# Altium PCB VHDCI_Carrier.PCBDOC (part 5 of 7)
Units mm, origin at the board's own origin, x right, y up, seen from the top; angles counter-clockwise.
Board outline 159.99 x 100 mm, 4 copper layers (TopLayer, Internal Plane 1, Internal Plane 2, BottomLayer), stack 1.622 mm thick; 102 components, 174 nets, 718 pads, 375 vias.
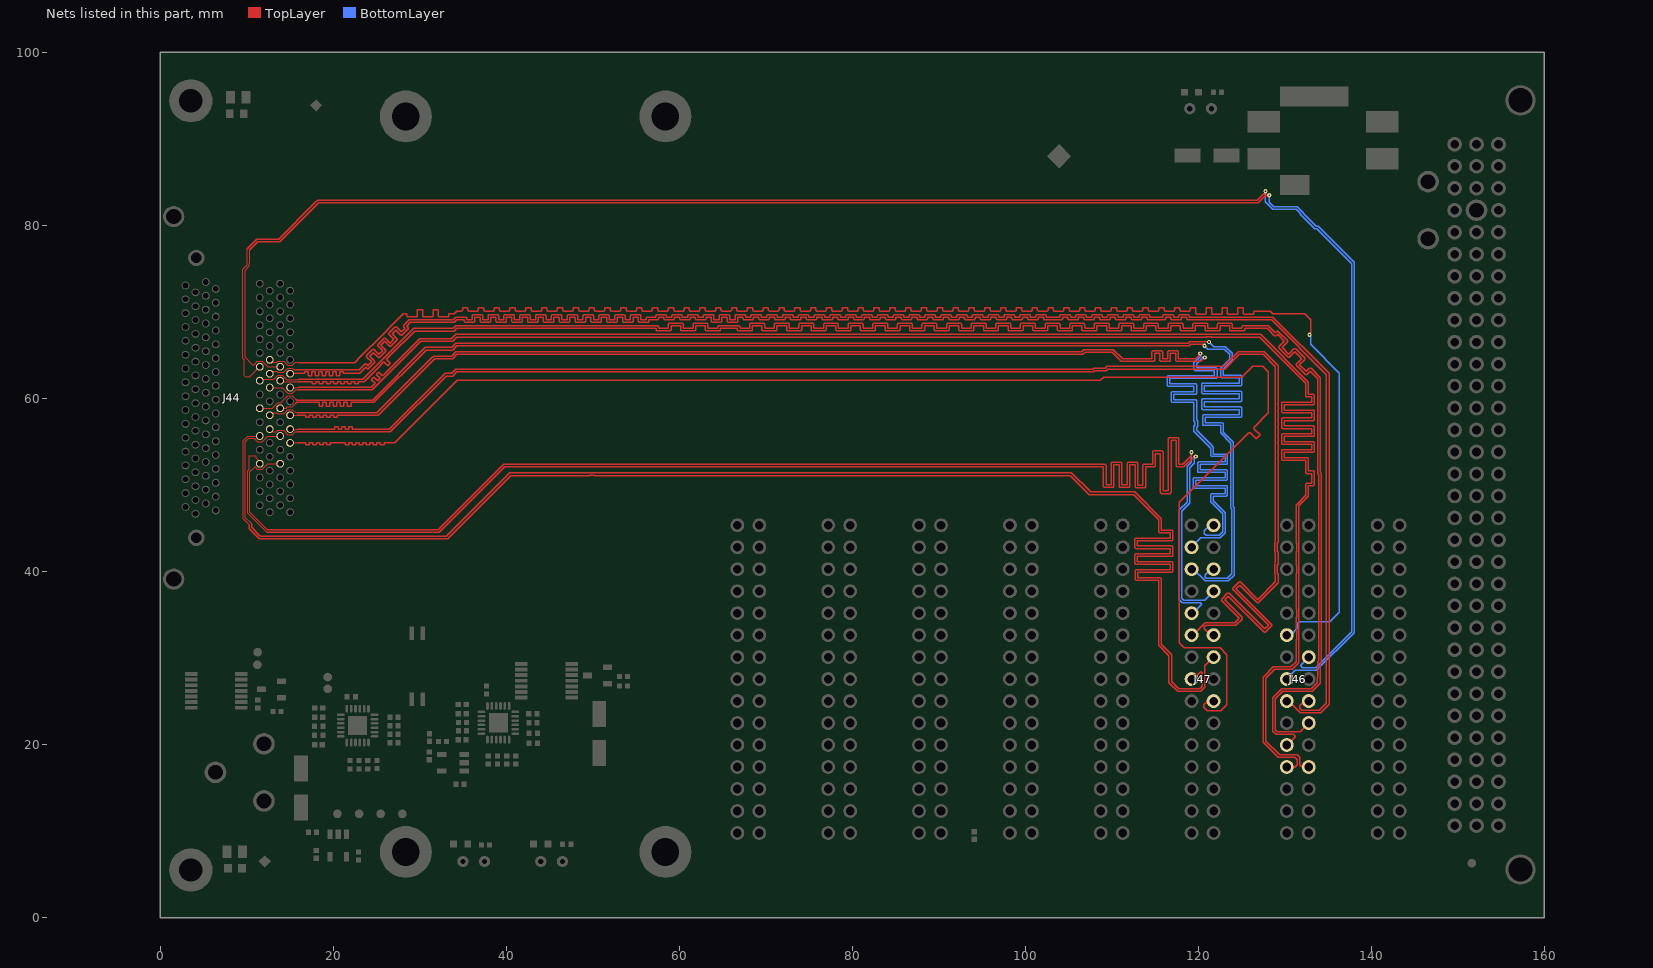
[diagram p7: the nets of this part, all layers, seen from the top]

## Via types
v1: diameter 0.5, hole 0.2, TopLayer to BottomLayer, tented both sides, 323 vias
v2: diameter 0.6, hole 0.3, TopLayer to BottomLayer, tented both sides, 52 vias

## Nets (pads, with @x,y where several pads share a name; then routed paths per layer and width w, separated by ;. In a path a pad name is that pad's centre, name@x,y a point inside that pad or via, vN(x,y) a via of type N, cw(c..) or ccw(c..) an arc to the next point about the centre after c; other vN are vias at no path point) (continued)
LVDS5_3_P: J44.U12 J46.11 | length 203.6
  TopLayer w0.127: J44.U12@12.675,64.471 12.959,64.187 13.485,64.187 13.61,64.311 14.278,64.311 14.76,63.83 15.29,63.83 15.647,64.187 15.977,64.187 16.003,64.162
  TopLayer w0.152: 16.003,64.162 22.493,64.162 22.768,64.437 22.912,64.581 23.199,64.868 23.486,65.155 23.774,65.443 24.061,65.73 24.348,66.017 24.516,66.184 28.131,69.8 28.511,69.8 28.511,69.582 ccw(c28.664,69.582) 28.664,69.429 29.578,69.429 ccw(c29.578,69.582) 29.731,69.582 29.731,70.271 30.34,70.271 30.34,69.582 ccw(c30.493,69.582) 30.493,69.429 31.407,69.429 ccw(c31.407,69.582) 31.559,69.582 31.559,70.271 32.169,70.271 32.169,69.582 ccw(c32.321,69.582) 32.321,69.429 33.236,69.429 ccw(c33.236,69.582) 33.388,69.582 33.388,69.8 33.985,69.8 34.28,70.095 34.803,70.095 ccw(c34.803,70.248) 34.955,70.248 34.955,70.466 35.565,70.466 35.565,70.248 ccw(c35.717,70.248) 35.717,70.095 36.632,70.095 ccw(c36.632,70.248) 36.784,70.248 36.784,70.466 37.394,70.466 37.394,70.248 ccw(c37.546,70.248) 37.546,70.095 38.46,70.095 ccw(c38.46,70.248) 38.613,70.248 38.613,70.466 39.222,70.466 39.222,70.248 ccw(c39.375,70.248) 39.375,70.095 40.289,70.095 ccw(c40.289,70.248) 40.442,70.248 40.442,70.466 41.051,70.466 41.051,70.248 ccw(c41.204,70.248) 41.204,70.095 42.118,70.095 ccw(c42.118,70.248) 42.27,70.248 42.27,70.466 42.88,70.466 42.88,70.248 ccw(c43.032,70.248) 43.032,70.095 43.947,70.095 ccw(c43.947,70.248) 44.099,70.248 44.099,70.466 44.709,70.466 44.709,70.248 ccw(c44.861,70.248) 44.861,70.095 45.776,70.095 ccw(c45.776,70.248) 45.928,70.248 45.928,70.466 46.538,70.466 46.538,70.248 ccw(c46.69,70.248) 46.69,70.095 47.604,70.095 ccw(c47.604,70.248) 47.757,70.248 47.757,70.466 48.366,70.466 48.366,70.248 ccw(c48.519,70.248) 48.519,70.095 49.433,70.095 ccw(c49.433,70.248) 49.586,70.248 49.586,70.466 50.195,70.466 50.195,70.248 ccw(c50.348,70.248) 50.348,70.095 51.262,70.095 ccw(c51.262,70.248) 51.414,70.248 51.414,70.466 52.024,70.466 52.024,70.248 ccw(c52.176,70.248) 52.176,70.095 53.091,70.095 ccw(c53.091,70.248) 53.243,70.248 53.243,70.466 53.853,70.466 53.853,70.248 ccw(c54.005,70.248) 54.005,70.095 54.92,70.095 ccw(c54.92,70.248) 55.072,70.248 55.072,70.466 55.682,70.466 55.682,70.248 ccw(c55.834,70.248) 55.834,70.095 56.748,70.095 ccw(c56.748,70.248) 56.901,70.248 56.901,70.466 57.51,70.466 57.51,70.248 ccw(c57.663,70.248) 57.663,70.095 58.577,70.095 ccw(c58.577,70.248) 58.73,70.248 58.73,70.466 59.339,70.466 59.339,70.248 ccw(c59.492,70.248) 59.492,70.095 60.406,70.095 ccw(c60.406,70.248) 60.558,70.248 60.558,70.466 61.168,70.466 61.168,70.248 ccw(c61.32,70.248) 61.32,70.095 62.235,70.095 ccw(c62.235,70.248) 62.387,70.248 62.387,70.466 62.997,70.466 62.997,70.248 ccw(c63.149,70.248) 63.149,70.095 64.064,70.095 ccw(c64.064,70.248) 64.216,70.248 64.216,70.466 64.826,70.466 64.826,70.248 ccw(c64.978,70.248) 64.978,70.095 65.892,70.095 ccw(c65.892,70.248) 66.045,70.248 66.045,70.466 66.654,70.466 66.654,70.248 ccw(c66.807,70.248) 66.807,70.095 67.721,70.095 ccw(c67.721,70.248) 67.874,70.248 67.874,70.466 68.483,70.466 68.483,70.248 ccw(c68.636,70.248) 68.636,70.095 69.55,70.095 ccw(c69.55,70.248) 69.702,70.248 69.702,70.466 70.312,70.466 70.312,70.248 ccw(c70.464,70.248) 70.464,70.095 71.379,70.095 ccw(c71.379,70.248) 71.531,70.248 71.531,70.466 72.141,70.466 72.141,70.248 ccw(c72.293,70.248) 72.293,70.095 73.208,70.095 ccw(c73.208,70.248) 73.36,70.248 73.36,70.466 73.97,70.466 73.97,70.248 ccw(c74.122,70.248) 74.122,70.095 75.036,70.095 ccw(c75.036,70.248) 75.189,70.248 75.189,70.466 75.798,70.466 75.798,70.248 ccw(c75.951,70.248) 75.951,70.095 76.865,70.095 ccw(c76.865,70.248) 77.018,70.248 77.018,70.466 77.627,70.466 77.627,70.248 ccw(c77.78,70.248) 77.78,70.095 78.694,70.095 ccw(c78.694,70.248) 78.846,70.248 78.846,70.466 79.456,70.466 79.456,70.248 ccw(c79.608,70.248) 79.608,70.095 80.523,70.095 ccw(c80.523,70.248) 80.675,70.248 80.675,70.466 81.285,70.466 81.285,70.248 ccw(c81.437,70.248) 81.437,70.095 82.352,70.095 ccw(c82.352,70.248) 82.504,70.248 82.504,70.466 83.114,70.466 83.114,70.248 ccw(c83.266,70.248) 83.266,70.095 84.18,70.095 ccw(c84.18,70.248) 84.333,70.248 84.333,70.466 84.942,70.466 84.942,70.248 ccw(c85.095,70.248) 85.095,70.095 86.009,70.095 ccw(c86.009,70.248) 86.162,70.248 86.162,70.466 86.771,70.466 86.771,70.248 ccw(c86.924,70.248) 86.924,70.095 87.838,70.095 ccw(c87.838,70.248) 87.99,70.248 87.99,70.466 88.6,70.466 88.6,70.248 ccw(c88.752,70.248) 88.752,70.095 89.667,70.095 ccw(c89.667,70.248) 89.819,70.248 89.819,70.466 90.429,70.466 90.429,70.248 ccw(c90.581,70.248) 90.581,70.095 91.496,70.095 ccw(c91.496,70.248) 91.648,70.248 91.648,70.466 92.258,70.466 92.258,70.248 ccw(c92.41,70.248) 92.41,70.095 93.324,70.095 ccw(c93.324,70.248) 93.477,70.248 93.477,70.466 94.086,70.466 94.086,70.248 ccw(c94.239,70.248) 94.239,70.095 95.153,70.095 ccw(c95.153,70.248) 95.306,70.248 95.306,70.466 95.915,70.466 95.915,70.248 ccw(c96.068,70.248) 96.068,70.095 96.982,70.095 ccw(c96.982,70.248) 97.134,70.248 97.134,70.466 97.744,70.466 97.744,70.248 ccw(c97.896,70.248) 97.896,70.095 98.811,70.095 ccw(c98.811,70.248) 98.963,70.248 98.963,70.466 99.573,70.466 99.573,70.248 ccw(c99.725,70.248) 99.725,70.095 100.64,70.095 ccw(c100.64,70.248) 100.792,70.248 100.792,70.466 101.402,70.466 101.402,70.248 ccw(c101.554,70.248) 101.554,70.095 102.468,70.095 ccw(c102.468,70.248) 102.621,70.248 102.621,70.466 103.23,70.466 103.23,70.248 ccw(c103.383,70.248) 103.383,70.095 104.297,70.095 ccw(c104.297,70.248) 104.45,70.248 104.45,70.466 105.059,70.466 105.059,70.248 ccw(c105.212,70.248) 105.212,70.095 106.126,70.095 ccw(c106.126,70.248) 106.278,70.248 106.278,70.466 106.888,70.466 106.888,70.248 ccw(c107.04,70.248) 107.04,70.095 107.955,70.095 ccw(c107.955,70.248) 108.107,70.248 108.107,70.466 108.717,70.466 108.717,70.248 ccw(c108.869,70.248) 108.869,70.095 109.784,70.095 ccw(c109.784,70.248) 109.936,70.248 109.936,70.466 110.546,70.466 110.546,70.248 ccw(c110.698,70.248) 110.698,70.095 111.612,70.095 ccw(c111.612,70.248) 111.765,70.248 111.765,70.466 112.374,70.466 112.374,70.248 ccw(c112.527,70.248) 112.527,70.095 113.441,70.095 ccw(c113.441,70.248) 113.594,70.248 113.594,70.466 114.203,70.466 114.203,70.248 ccw(c114.356,70.248) 114.356,70.095 115.27,70.095 ccw(c115.27,70.248) 115.422,70.248 115.422,70.466 116.032,70.466 116.032,70.248 ccw(c116.184,70.248) 116.184,70.095 117.099,70.095 ccw(c117.099,70.248) 117.251,70.248 117.251,70.466 117.861,70.466 117.861,70.248 ccw(c118.013,70.248) 118.013,70.095 118.928,70.095 ccw(c118.928,70.248) 119.08,70.248 119.08,70.466 119.69,70.466 119.69,69.882 ccw(c119.842,69.882) 119.842,69.729 120.756,69.729 ccw(c120.756,69.882) 120.909,69.882 120.909,70.466 121.518,70.466 121.518,69.882 ccw(c121.671,69.882) 121.671,69.729 122.585,69.729 ccw(c122.585,69.882) 122.738,69.882 122.738,70.466 123.347,70.466 123.347,69.882 ccw(c123.5,69.882) 123.5,69.729 124.414,69.729 ccw(c124.414,69.882) 124.566,69.882 124.566,70.466 125.176,70.466 125.176,69.882 ccw(c125.328,69.882) 125.328,69.729 126.243,69.729 ccw(c126.243,69.882) 126.395,69.882 126.395,70.095 128.305,70.095 128.589,69.811 129.395,69.811 129.406,69.8 132.3,69.8 133.008,69.092 133.008,67.549 v1(132.847,67.388)
  BottomLayer w0.152: J46.11@130.215,32.656 130.651,32.656 131.495,33.5 131.495,34.014 131.674,34.193 135.193,34.193 136.295,35.295 136.295,62.948 132.97,66.274 132.97,67.265 v1(132.847,67.388)
LVDS5_4_N: J44.U47 J46.15 | length 204.2
  TopLayer w0.127: 10.377,77.177 10.377,75.706 10.313,75.643 10.313,75.338 9.83,74.855 9.83,64.775 10.68,63.925 10.873,63.925 11.26,64.311 11.79,64.311 12.431,63.671 J44.U47@13.875,63.671
  TopLayer w0.152: 10.377,77.177 11.3,78.1 13.831,78.1 18.331,82.6 126.916,82.6 127.636,83.321 127.685,83.321 127.855,83.49 128.19,83.49 v1(128.2,83.5)
  BottomLayer w0.152: v1(128.2,83.5) 128.19,83.49 128.19,82.69 128.7,82.179 131.411,82.179 132.1,81.49 132.1,81.4 133.6,79.9 133.826,79.9 138,75.726 138,32.95 133.629,28.579 131.218,28.579 J46.15@130.215,27.576
LVDS5_4_P: J44.U13 J46.14 | length 203.6
  TopLayer w0.127: 10.059,77.29 10.059,75.443 9.576,74.96 9.576,64.67 9.746,64.5 9.746,62.654 9.9,62.5 10.354,62.5 J44.U13@11.525,63.671
  TopLayer w0.152: 10.059,77.29 11.174,78.405 13.705,78.405 17.905,82.605 18.205,82.905 126.825,82.905 127.52,83.6 127.569,83.6 127.757,83.787 v1(127.757,83.943)
  BottomLayer w0.152: v1(127.757,83.943) 127.747,83.934 127.747,82.738 128.584,81.9 131.295,81.9 131.795,81.4 131.795,81.274 133.474,79.595 133.7,79.595 137.695,75.6 137.695,33.04 133.539,28.884 132.016,28.884 131.8,29.1 131.8,29.161 J46.14@132.755,30.116
LVDS5_5_N: J44.U48 J46.18 | length 205.2
  TopLayer w0.127: J44.U48@15.025,62.871 J44.U48@15.071,62.917
  TopLayer w0.152: J44.U48@15.071,62.917 15.507,62.917 15.524,62.901 15.755,62.901 15.778,62.924 16.5,62.924 16.703,62.924 16.703,63.068 17.11,63.068 17.11,62.924 17.11,62.63 17.516,62.63 17.516,62.924 17.516,63.068 17.922,63.068 17.922,62.924 17.922,62.63 18.329,62.63 18.329,62.924 18.329,63.068 18.735,63.068 18.735,62.924 18.735,62.63 19.142,62.63 19.142,62.924 19.142,63.068 19.548,63.068 19.548,62.924 19.548,62.63 19.954,62.63 19.954,62.924 19.954,63.068 20.361,63.068 20.361,62.924 20.361,62.63 20.767,62.63 20.767,62.924 20.767,63.068 21.174,63.068 21.174,62.924 21.58,62.924 21.7,62.924 21.903,62.924 22.3,62.924 23.055,62.924 23.758,63.627 23.898,63.488 ccw(c24.006,63.596) 24.114,63.488 24.759,64.134 ccw(c24.652,64.242) 24.805,64.242 ccw(c24.652,64.242) 24.76,64.35 24.223,64.887 24.654,65.318 25.191,64.781 ccw(c25.299,64.889) 25.407,64.782 26.053,65.428 ccw(c25.945,65.536) 26.098,65.536 ccw(c25.945,65.536) 26.053,65.643 25.517,66.18 25.948,66.611 26.484,66.074 ccw(c26.592,66.182) 26.7,66.075 27.346,66.72 ccw(c27.238,66.829) 27.391,66.829 ccw(c27.238,66.829) 27.346,66.936 26.81,67.473 27.241,67.904 27.777,67.367 ccw(c27.885,67.475) 27.993,67.368 28.639,68.014 ccw(c28.532,68.122) 28.684,68.122 ccw(c28.532,68.122) 28.639,68.23 28.5,68.369 28.931,68.8 33.991,68.8 34.291,69.1 35.159,69.1 35.159,68.964 ccw(c35.312,68.964) 35.312,68.811 36.226,68.811 ccw(c36.226,68.964) 36.378,68.964 36.378,69.384 36.988,69.384 36.988,68.964 ccw(c37.14,68.964) 37.14,68.811 38.055,68.811 ccw(c38.055,68.964) 38.207,68.964 38.207,69.384 38.817,69.384 38.817,68.964 ccw(c38.969,68.964) 38.969,68.811 39.884,68.811 ccw(c39.884,68.964) 40.036,68.964 40.036,69.384 40.646,69.384 40.646,68.964 ccw(c40.798,68.964) 40.798,68.811 41.712,68.811 ccw(c41.712,68.964) 41.865,68.964 41.865,69.384 42.474,69.384 42.474,68.964 ccw(c42.627,68.964) 42.627,68.811 43.541,68.811 ccw(c43.541,68.964) 43.694,68.964 43.694,69.384 44.303,69.384 44.303,68.964 ccw(c44.456,68.964) 44.456,68.811 45.37,68.811 ccw(c45.37,68.964) 45.522,68.964 45.522,69.384 46.132,69.384 46.132,68.964 ccw(c46.284,68.964) 46.284,68.811 47.199,68.811 ccw(c47.199,68.964) 47.351,68.964 47.351,69.384 47.961,69.384 47.961,68.964 ccw(c48.113,68.964) 48.113,68.811 49.028,68.811 ccw(c49.028,68.964) 49.18,68.964 49.18,69.384 49.79,69.384 49.79,68.964 ccw(c49.942,68.964) 49.942,68.811 50.856,68.811 ccw(c50.856,68.964) 51.009,68.964 51.009,69.384 51.618,69.384 51.618,68.964 ccw(c51.771,68.964) 51.771,68.811 52.685,68.811 ccw(c52.685,68.964) 52.838,68.964 52.838,69.384 53.447,69.384 53.447,68.964 ccw(c53.6,68.964) 53.6,68.811 54.514,68.811 ccw(c54.514,68.964) 54.666,68.964 54.666,69.384 55.276,69.384 55.276,68.964 ccw(c55.428,68.964) 55.428,68.811 56.343,68.811 ccw(c56.343,68.964) 56.495,68.964 56.495,69.1 57.457,69.1 ccw(c57.457,69.252) 57.61,69.252 57.61,69.384 58.219,69.384 58.219,69.252 ccw(c58.372,69.252) 58.372,69.1 59.286,69.1 ccw(c59.286,69.252) 59.438,69.252 59.438,69.384 60.048,69.384 60.048,69.252 ccw(c60.2,69.252) 60.2,69.1 61.115,69.1 ccw(c61.115,69.252) 61.267,69.252 61.267,69.384 61.877,69.384 61.877,69.252 ccw(c62.029,69.252) 62.029,69.1 62.944,69.1 ccw(c62.944,69.252) 63.096,69.252 63.096,69.384 63.706,69.384 63.706,68.964 ccw(c63.858,68.964) 63.858,68.811 64.772,68.811 ccw(c64.772,68.964) 64.925,68.964 64.925,69.384 65.534,69.384 65.534,68.964 ccw(c65.687,68.964) 65.687,68.811 66.601,68.811 ccw(c66.601,68.964) 66.754,68.964 66.754,69.384 67.363,69.384 67.363,69.252 ccw(c67.516,69.252) 67.516,69.1 68.43,69.1 ccw(c68.43,69.252) 68.582,69.252 68.582,69.384 69.192,69.384 69.192,69.252 ccw(c69.344,69.252) 69.344,69.1 70.259,69.1 ccw(c70.259,69.252) 70.411,69.252 70.411,69.384 71.021,69.384 71.021,69.252 ccw(c71.173,69.252) 71.173,69.1 72.088,69.1 ccw(c72.088,69.252) 72.24,69.252 72.24,69.384 72.85,69.384 72.85,69.252 ccw(c73.002,69.252) 73.002,69.1 73.916,69.1 ccw(c73.916,69.252) 74.069,69.252 74.069,69.384 74.678,69.384 74.678,69.252 ccw(c74.831,69.252) 74.831,69.1 75.745,69.1 ccw(c75.745,69.252) 75.898,69.252 75.898,69.384 76.507,69.384 76.507,69.252 ccw(c76.66,69.252) 76.66,69.1 77.574,69.1 ccw(c77.574,69.252) 77.726,69.252 77.726,69.384 78.336,69.384 78.336,69.252 ccw(c78.488,69.252) 78.488,69.1 79.403,69.1 ccw(c79.403,69.252) 79.555,69.252 79.555,69.384 80.165,69.384 80.165,69.252 ccw(c80.317,69.252) 80.317,69.1 81.232,69.1 ccw(c81.232,69.252) 81.384,69.252 81.384,69.384 81.994,69.384 81.994,69.252 ccw(c82.146,69.252) 82.146,69.1 83.06,69.1 ccw(c83.06,69.252) 83.213,69.252 83.213,69.384 83.822,69.384 83.822,69.252 ccw(c83.975,69.252) 83.975,69.1 84.889,69.1 ccw(c84.889,69.252) 85.042,69.252 85.042,69.384 85.651,69.384 85.651,69.252 ccw(c85.804,69.252) 85.804,69.1 86.718,69.1 ccw(c86.718,69.252) 86.87,69.252 86.87,69.384 87.48,69.384 87.48,69.252 ccw(c87.632,69.252) 87.632,69.1 88.547,69.1 ccw(c88.547,69.252) 88.699,69.252 88.699,69.384 89.309,69.384 89.309,69.252 ccw(c89.461,69.252) 89.461,69.1 90.376,69.1 ccw(c90.376,69.252) 90.528,69.252 90.528,69.384 91.138,69.384 91.138,69.252 ccw(c91.29,69.252) 91.29,69.1 92.204,69.1 ccw(c92.204,69.252) 92.357,69.252 92.357,69.384 92.966,69.384 92.966,69.252 ccw(c93.119,69.252) 93.119,69.1 94.033,69.1 ccw(c94.033,69.252) 94.186,69.252 94.186,69.384 94.795,69.384 94.795,69.252 ccw(c94.948,69.252) 94.948,69.1 95.862,69.1 ccw(c95.862,69.252) 96.014,69.252 96.014,69.384 96.624,69.384 96.624,69.252 ccw(c96.776,69.252) 96.776,69.1 97.691,69.1 ccw(c97.691,69.252) 97.843,69.252 97.843,69.384 98.453,69.384 98.453,69.252 ccw(c98.605,69.252) 98.605,69.1 99.52,69.1 ccw(c99.52,69.252) 99.672,69.252 99.672,69.384 100.282,69.384 100.282,69.252 ccw(c100.434,69.252) 100.434,69.1 101.348,69.1 ccw(c101.348,69.252) 101.501,69.252 101.501,69.384 102.11,69.384 102.11,69.252 ccw(c102.263,69.252) 102.263,69.1 104.157,69.1 ccw(c104.157,69.252) 104.31,69.252 104.31,69.384 104.919,69.384 104.919,69.252 ccw(c105.072,69.252) 105.072,69.1 105.986,69.1 ccw(c105.986,69.252) 106.138,69.252 106.138,69.384 106.748,69.384 106.748,69.252 ccw(c106.9,69.252) 106.9,69.1 107.815,69.1 ccw(c107.815,69.252) 107.967,69.252 107.967,69.384 108.577,69.384 108.577,69.252 ccw(c108.729,69.252) 108.729,69.1 109.644,69.1 ccw(c109.644,69.252) 109.796,69.252 109.796,69.384 110.406,69.384 110.406,69.252 ccw(c110.558,69.252) 110.558,69.1 111.472,69.1 ccw(c111.472,69.252) 111.625,69.252 111.625,69.384 112.234,69.384 112.234,69.252 ccw(c112.387,69.252) 112.387,69.1 113.301,69.1 ccw(c113.301,69.252) 113.454,69.252 113.454,69.384 114.063,69.384 114.063,69.252 ccw(c114.216,69.252) 114.216,69.1 116.057,69.1 ccw(c116.057,69.252) 116.21,69.252 116.21,69.384 116.819,69.384 116.819,69.252 ccw(c116.972,69.252) 116.972,69.1 117.886,69.1 ccw(c117.886,69.252) 118.038,69.252 118.038,69.384 118.648,69.384 118.648,69.252 ccw(c118.8,69.252) 118.8,69.1 128.469,69.1 134.8,62.769 134.8,24.8 133.984,23.984 131.916,23.984 131.7,24.2 131.7,24.5 132,24.8 J46.18@132.519,24.8
LVDS5_5_P: J44.U14 J46.17 | length 205
  TopLayer w0.127: J44.U14@12.675,62.871 12.975,63.171 13.469,63.171 13.61,63.03 14.278,63.03 14.76,63.511 15.29,63.511 15.402,63.4
  TopLayer w0.152: 15.411,63.409 15.52,63.3 16.54,63.3 16.587,63.348 23.048,63.348 23.2,63.5 23.651,63.951 cw(c23.758,63.843) 23.866,63.951 24.006,63.811 24.437,64.242 23.9,64.779 cw(c24.008,64.887) 23.901,64.995 24.547,65.641 cw(c24.654,65.533) 24.762,65.641 25.299,65.104 25.73,65.536 25.194,66.072 cw(c25.301,66.18) 25.193,66.288 25.84,66.934 cw(c25.948,66.826) 26.055,66.934 26.592,66.398 27.023,66.829 26.486,67.365 cw(c26.594,67.473) 26.487,67.581 27.133,68.227 cw(c27.241,68.12) 27.349,68.227 27.885,67.691 28.316,68.122 28.177,68.261 cw(c28.284,68.369) 28.177,68.477 28.805,69.105 33.864,69.105 34.164,69.405 35.312,69.405 cw(c35.312,69.252) 35.464,69.252 35.464,69.116 36.074,69.116 36.074,69.536 cw(c36.226,69.536) 36.226,69.689 37.14,69.689 cw(c37.14,69.536) 37.293,69.536 37.293,69.116 37.902,69.116 37.902,69.536 cw(c38.055,69.536) 38.055,69.689 38.969,69.689 cw(c38.969,69.536) 39.122,69.536 39.122,69.116 39.731,69.116 39.731,69.536 cw(c39.884,69.536) 39.884,69.689 40.798,69.689 cw(c40.798,69.536) 40.95,69.536 40.95,69.116 41.56,69.116 41.56,69.536 cw(c41.712,69.536) 41.712,69.689 42.627,69.689 cw(c42.627,69.536) 42.779,69.536 42.779,69.116 43.389,69.116 43.389,69.536 cw(c43.541,69.536) 43.541,69.689 44.456,69.689 cw(c44.456,69.536) 44.608,69.536 44.608,69.116 45.218,69.116 45.218,69.536 cw(c45.37,69.536) 45.37,69.689 46.284,69.689 cw(c46.284,69.536) 46.437,69.536 46.437,69.116 47.046,69.116 47.046,69.536 cw(c47.199,69.536) 47.199,69.689 48.113,69.689 cw(c48.113,69.536) 48.266,69.536 48.266,69.116 48.875,69.116 48.875,69.536 cw(c49.028,69.536) 49.028,69.689 49.942,69.689 cw(c49.942,69.536) 50.094,69.536 50.094,69.116 50.704,69.116 50.704,69.536 cw(c50.856,69.536) 50.856,69.689 51.771,69.689 cw(c51.771,69.536) 51.923,69.536 51.923,69.116 52.533,69.116 52.533,69.536 cw(c52.685,69.536) 52.685,69.689 53.6,69.689 cw(c53.6,69.536) 53.752,69.536 53.752,69.116 54.362,69.116 54.362,69.536 cw(c54.514,69.536) 54.514,69.689 55.428,69.689 cw(c55.428,69.536) 55.581,69.536 55.581,69.116 56.19,69.116 56.19,69.252 cw(c56.343,69.252) 56.343,69.405 57.305,69.405 57.305,69.536 cw(c57.457,69.536) 57.457,69.689 58.372,69.689 cw(c58.372,69.536) 58.524,69.536 58.524,69.405 59.134,69.405 59.134,69.536 cw(c59.286,69.536) 59.286,69.689 60.2,69.689 cw(c60.2,69.536) 60.353,69.536 60.353,69.405 60.962,69.405 60.962,69.536 cw(c61.115,69.536) 61.115,69.689 62.029,69.689 cw(c62.029,69.536) 62.182,69.536 62.182,69.405 62.791,69.405 62.791,69.536 cw(c62.944,69.536) 62.944,69.689 63.858,69.689 cw(c63.858,69.536) 64.01,69.536 64.01,69.116 64.62,69.116 64.62,69.536 cw(c64.772,69.536) 64.772,69.689 65.687,69.689 cw(c65.687,69.536) 65.839,69.536 65.839,69.116 66.449,69.116 66.449,69.536 cw(c66.601,69.536) 66.601,69.689 67.516,69.689 cw(c67.516,69.536) 67.668,69.536 67.668,69.405 68.278,69.405 68.278,69.536 cw(c68.43,69.536) 68.43,69.689 69.344,69.689 cw(c69.344,69.536) 69.497,69.536 69.497,69.405 70.106,69.405 70.106,69.536 cw(c70.259,69.536) 70.259,69.689 71.173,69.689 cw(c71.173,69.536) 71.326,69.536 71.326,69.405 71.935,69.405 71.935,69.536 cw(c72.088,69.536) 72.088,69.689 73.002,69.689 cw(c73.002,69.536) 73.154,69.536 73.154,69.405 73.764,69.405 73.764,69.536 cw(c73.916,69.536) 73.916,69.689 74.831,69.689 cw(c74.831,69.536) 74.983,69.536 74.983,69.405 75.593,69.405 75.593,69.536 cw(c75.745,69.536) 75.745,69.689 76.66,69.689 cw(c76.66,69.536) 76.812,69.536 76.812,69.405 77.422,69.405 77.422,69.536 cw(c77.574,69.536) 77.574,69.689 78.488,69.689 cw(c78.488,69.536) 78.641,69.536 78.641,69.405 79.25,69.405 79.25,69.536 cw(c79.403,69.536) 79.403,69.689 80.317,69.689 cw(c80.317,69.536) 80.47,69.536 80.47,69.405 81.079,69.405 81.079,69.536 cw(c81.232,69.536) 81.232,69.689 82.146,69.689 cw(c82.146,69.536) 82.298,69.536 82.298,69.405 82.908,69.405 82.908,69.536 cw(c83.06,69.536) 83.06,69.689 83.975,69.689 cw(c83.975,69.536) 84.127,69.536 84.127,69.405 84.737,69.405 84.737,69.536 cw(c84.889,69.536) 84.889,69.689 85.804,69.689 cw(c85.804,69.536) 85.956,69.536 85.956,69.405 86.566,69.405 86.566,69.536 cw(c86.718,69.536) 86.718,69.689 87.632,69.689 cw(c87.632,69.536) 87.785,69.536 87.785,69.405 88.394,69.405 88.394,69.536 cw(c88.547,69.536) 88.547,69.689 89.461,69.689 cw(c89.461,69.536) 89.614,69.536 89.614,69.405 90.223,69.405 90.223,69.536 cw(c90.376,69.536) 90.376,69.689 91.29,69.689 cw(c91.29,69.536) 91.442,69.536 91.442,69.405 92.052,69.405 92.052,69.536 cw(c92.204,69.536) 92.204,69.689 93.119,69.689 cw(c93.119,69.536) 93.271,69.536 93.271,69.405 93.881,69.405 93.881,69.536 cw(c94.033,69.536) 94.033,69.689 94.948,69.689 cw(c94.948,69.536) 95.1,69.536 95.1,69.405 95.71,69.405 95.71,69.536 cw(c95.862,69.536) 95.862,69.689 96.776,69.689 cw(c96.776,69.536) 96.929,69.536 96.929,69.405 97.538,69.405 97.538,69.536 cw(c97.691,69.536) 97.691,69.689 98.605,69.689 cw(c98.605,69.536) 98.758,69.536 98.758,69.405 99.367,69.405 99.367,69.536 cw(c99.52,69.536) 99.52,69.689 100.434,69.689 cw(c100.434,69.536) 100.586,69.536 100.586,69.405 101.196,69.405 101.196,69.536 cw(c101.348,69.536) 101.348,69.689 102.263,69.689 cw(c102.263,69.536) 102.415,69.536 102.415,69.405 104.005,69.405 104.005,69.536 cw(c104.157,69.536) 104.157,69.689 105.072,69.689 cw(c105.072,69.536) 105.224,69.536 105.224,69.405 105.834,69.405 105.834,69.536 cw(c105.986,69.536) 105.986,69.689 106.9,69.689 cw(c106.9,69.536) 107.053,69.536 107.053,69.405 107.662,69.405 107.662,69.536 cw(c107.815,69.536) 107.815,69.689 108.729,69.689 cw(c108.729,69.536) 108.882,69.536 108.882,69.405 109.491,69.405 109.491,69.536 cw(c109.644,69.536) 109.644,69.689 110.558,69.689 cw(c110.558,69.536) 110.71,69.536 110.71,69.405 111.32,69.405 111.32,69.536 cw(c111.472,69.536) 111.472,69.689 112.387,69.689 cw(c112.387,69.536) 112.539,69.536 112.539,69.405 113.149,69.405 113.149,69.536 cw(c113.301,69.536) 113.301,69.689 114.216,69.689 cw(c114.216,69.536) 114.368,69.536 114.368,69.405 115.905,69.405 115.905,69.536 cw(c116.057,69.536) 116.057,69.689 116.972,69.689 cw(c116.972,69.536) 117.124,69.536 117.124,69.405 117.734,69.405 117.734,69.536 cw(c117.886,69.536) 117.886,69.689 118.8,69.689 cw(c118.8,69.536) 118.953,69.536 118.953,69.405 128.595,69.405 135.105,62.895 135.105,24.674 134.136,23.705 131.764,23.705 130.433,25.036 J46.17@130.215,25.036